# KiCad board motherboard.kicad_pcb
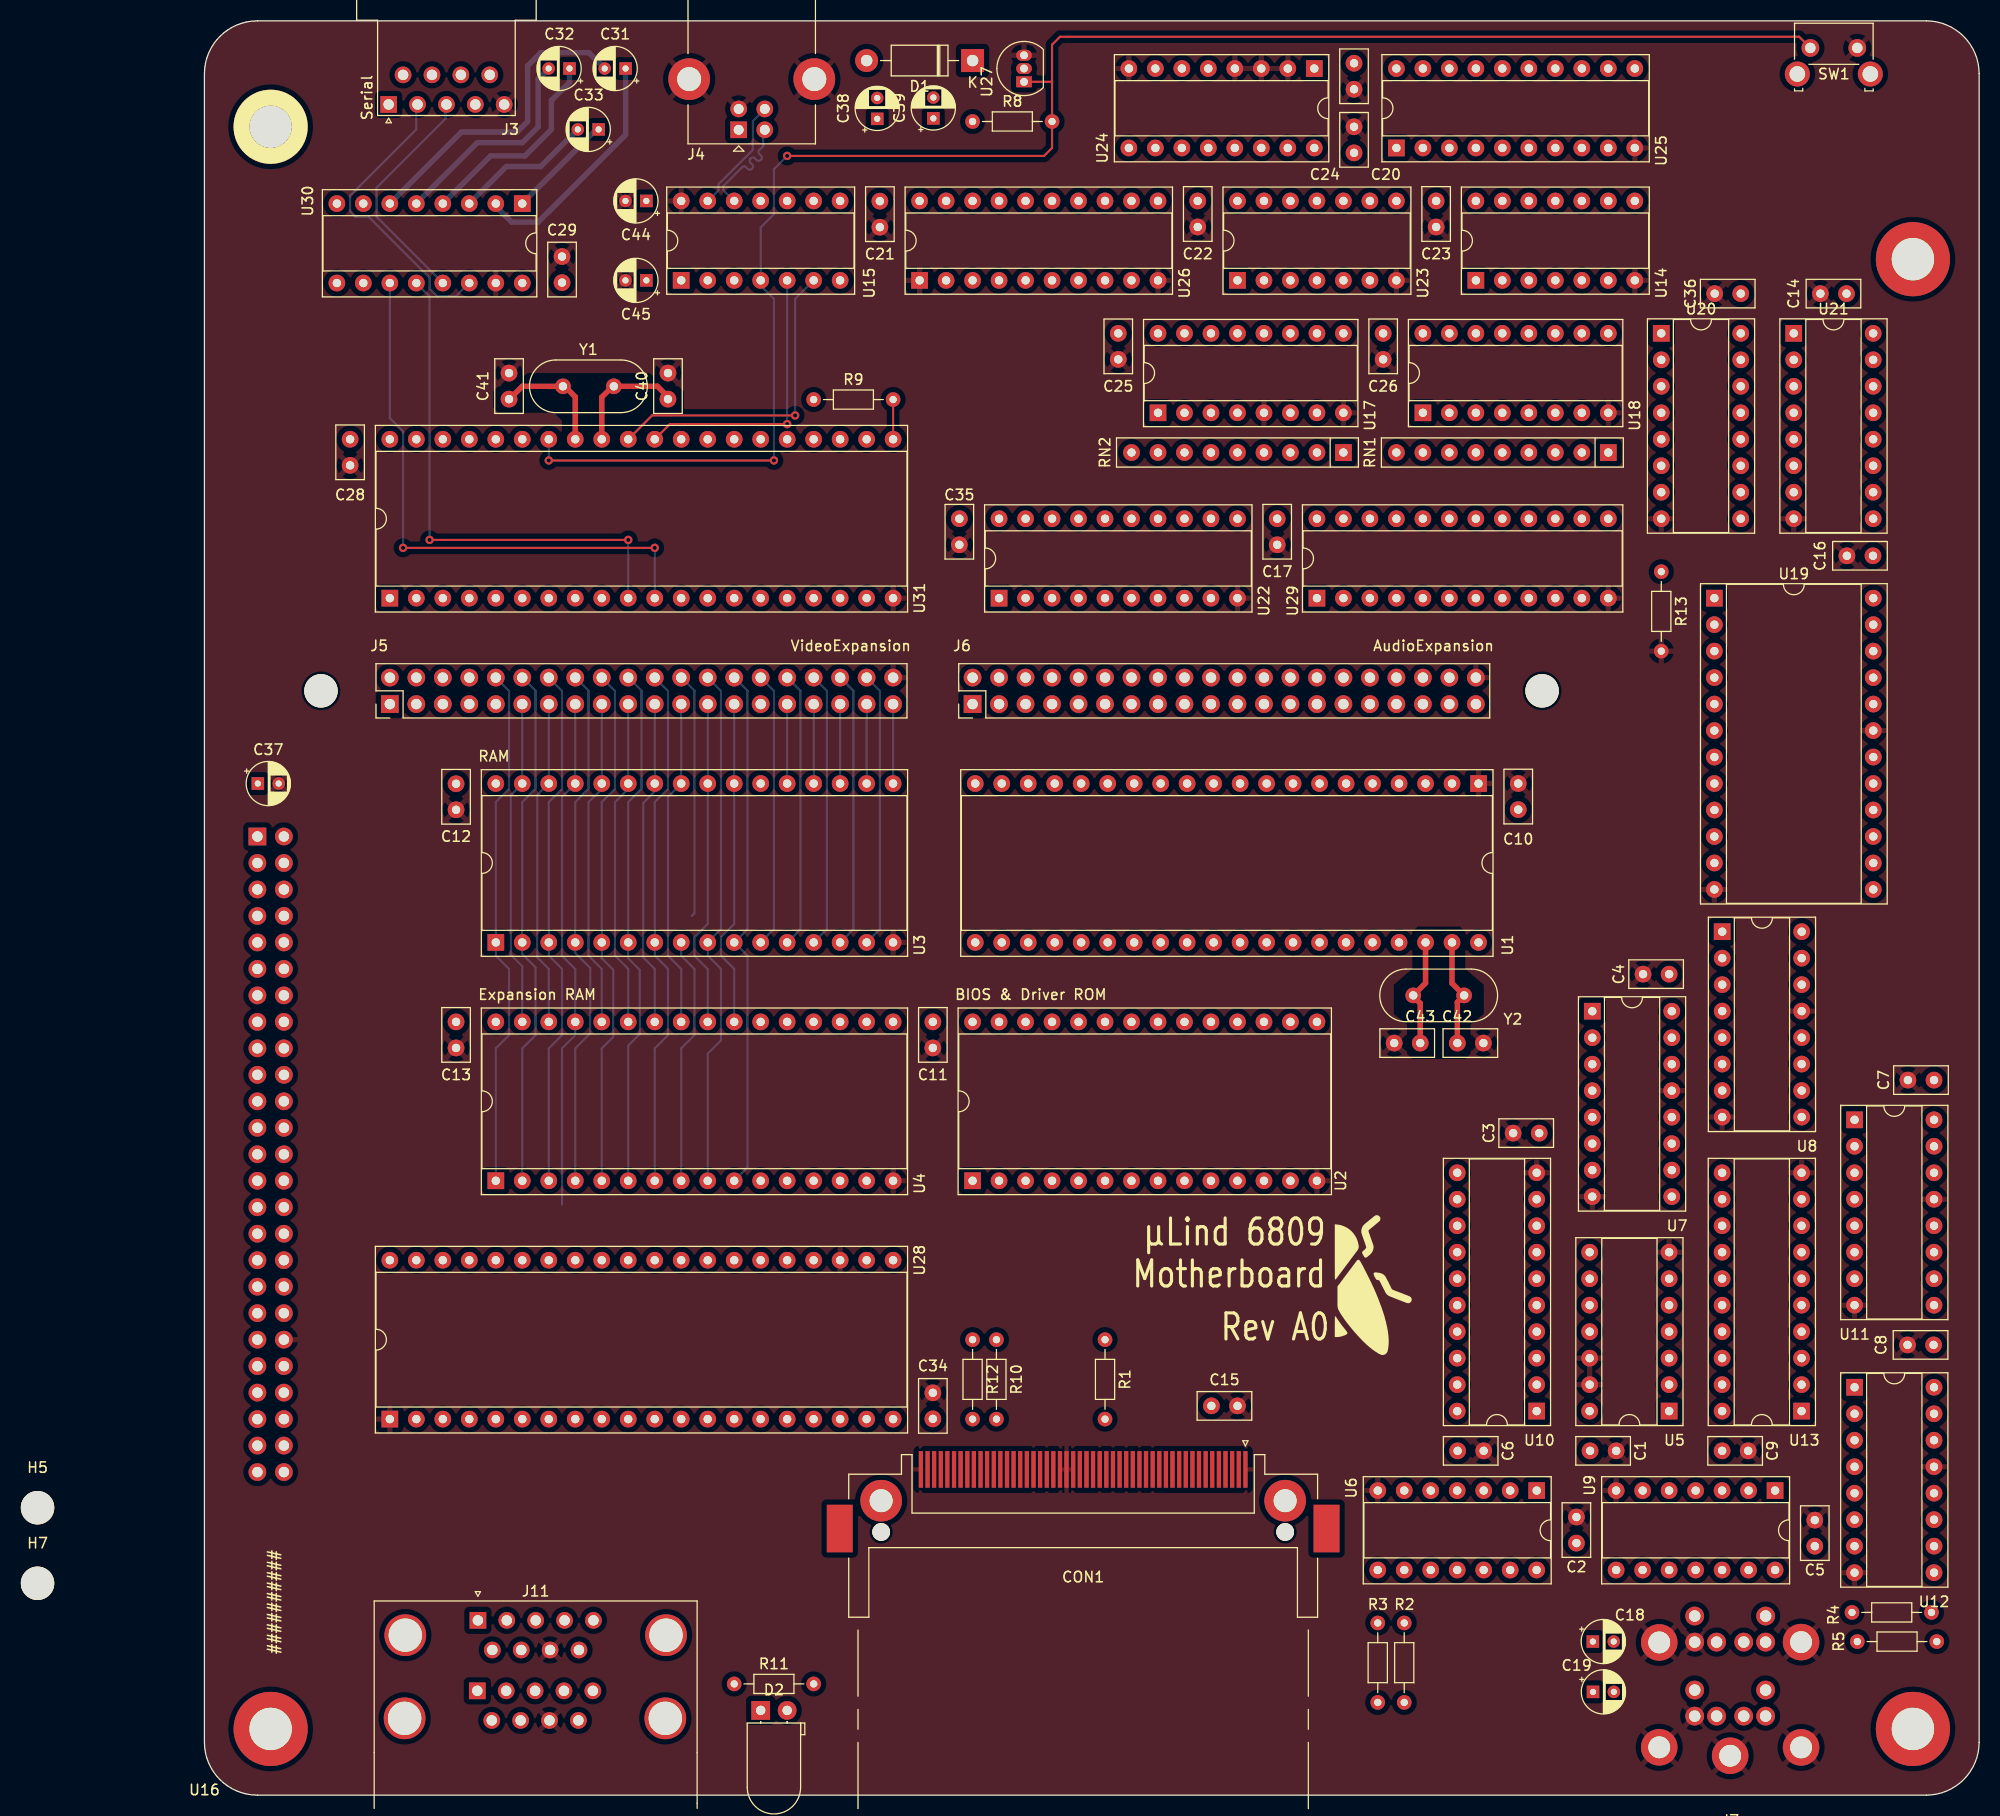
[diagram p0: board, top side]
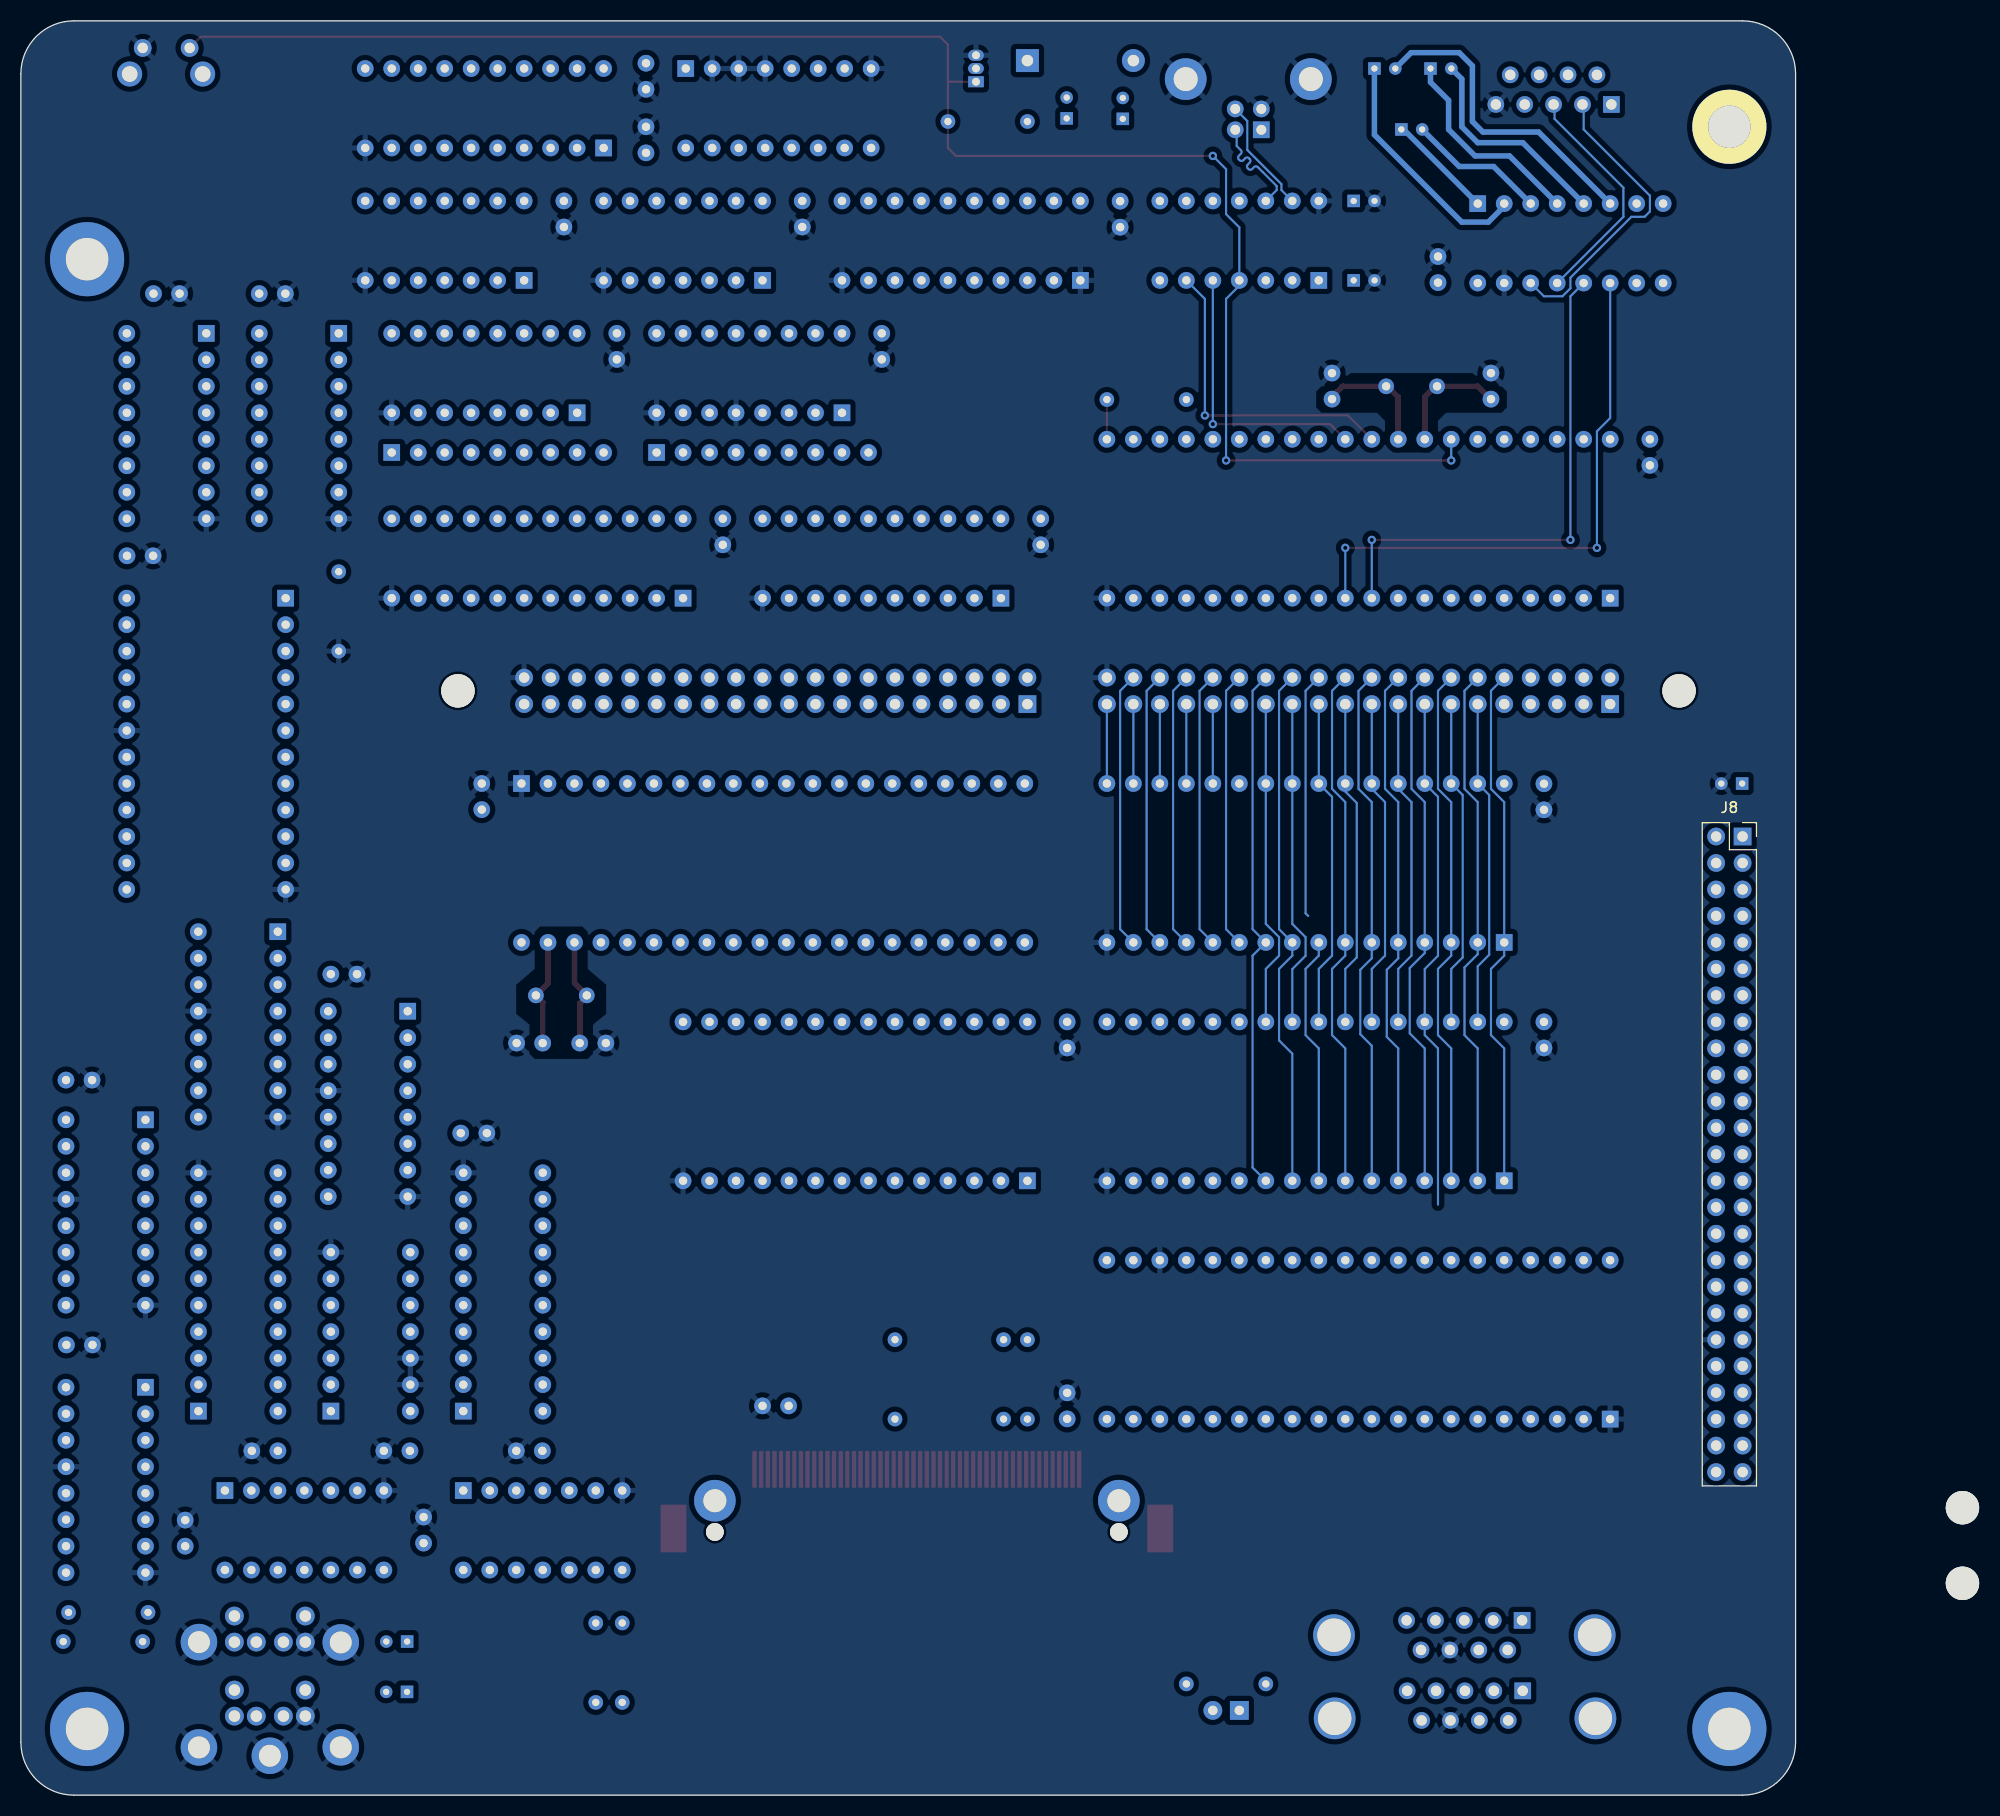
[diagram p1: board, bottom side, seen from below]

Outline 170.18 x 170.18 mm; copper layers: Top, In1.Cu (plane), In2.Cu (plane), Bottom. Coordinates in mm from the lower left corner of the outline.
Stack: Top 0.035mm / dielectric 0.1mm FR4 er 4.5 / In1.Cu 0.035mm / dielectric 1.24mm FR4 er 4.5 / In2.Cu 0.035mm / dielectric 0.1mm FR4 er 4.5 / Bottom 0.035mm

## Placement (name value [footprint] x y rotation side)
C1  C  [C_Disc_D5.0mm_W2.5mm_P2.50mm]  132.87 33.03 0 top
C2  C  [C_Disc_D5.0mm_W2.5mm_P2.50mm]  131.56 24.18 90 top
C3  C  [C_Disc_D5.0mm_W2.5mm_P2.50mm]  128 63.5 180 top
C4  C  [C_Disc_D5.0mm_W2.5mm_P2.50mm]  140.45 78.75 180 top
C5  C  [C_Disc_D5.0mm_W2.5mm_P2.50mm]  154.42 23.88 90 top
C6  C  [C_Disc_D5.0mm_W2.5mm_P2.50mm]  120.17 33.03 0 top
C7  C  [C_Disc_D5.0mm_W2.5mm_P2.50mm]  165.85 68.59 180 top
C8  C  [C_Disc_D5.0mm_W2.5mm_P2.50mm]  165.81 43.19 180 top
C9  C  [C_Disc_D5.0mm_W2.5mm_P2.50mm]  145.53 33.03 0 top
C10  C  [C_Disc_D5.0mm_W2.5mm_P2.50mm]  125.98 94.53 90 top
C11  C  [C_Disc_D5.0mm_W2.5mm_P2.50mm]  69.85 74.17 270 top
C12  C  [C_Disc_D5.0mm_W2.5mm_P2.50mm]  24.13 97.01 270 top
C13  C  [C_Disc_D5.0mm_W2.5mm_P2.50mm]  24.13 74.17 270 top
C14  C  [C_Disc_D5.0mm_W2.5mm_P2.50mm]  157.46 144.02 180 top
C15  C  [C_Disc_D5.0mm_W2.5mm_P2.50mm]  96.56 37.34 0 top
C16  C  [C_Disc_D5.0mm_W2.5mm_P2.50mm]  160 118.87 180 top
C17  C  [C_Disc_D5.0mm_W2.5mm_P2.50mm]  102.87 122.43 270 top
C18  10u  [CP_Radial_D4.0mm_P2.00mm]  133.14 14.73 0 top
C19  10u  [CP_Radial_D4.0mm_P2.00mm]  133.15 9.91 0 top
C20  C  [C_Disc_D5.0mm_W2.5mm_P2.50mm]  110.24 166.12 270 top
C21  C  [C_Disc_D5.0mm_W2.5mm_P2.50mm]  64.77 152.89 270 top
C22  C  [C_Disc_D5.0mm_W2.5mm_P2.50mm]  95.25 152.91 270 top
C23  C  [C_Disc_D5.0mm_W2.5mm_P2.50mm]  118.11 152.91 270 top
C24  C  [C_Disc_D5.0mm_W2.5mm_P2.50mm]  110.24 157.52 90 top
C25  C  [C_Disc_D5.0mm_W2.5mm_P2.50mm]  87.63 140.21 270 top
C26  C  [C_Disc_D5.0mm_W2.5mm_P2.50mm]  113.03 140.21 270 top
C28  C  [C_Disc_D5.0mm_W2.5mm_P2.50mm]  13.97 130.05 270 top
C29  C  [C_Disc_D5.0mm_W2.5mm_P2.50mm]  34.29 145.07 90 top
C31  1u  [CP_Radial_D4.0mm_P2.00mm]  40.39 165.61 180 top
C32  1u  [CP_Radial_D4.0mm_P2.00mm]  35.01 165.61 180 top
C33  1u  [CP_Radial_D4.0mm_P2.00mm]  37.8 159.77 180 top
C34  C  [C_Disc_D5.0mm_W2.5mm_P2.50mm]  69.85 36.09 90 top
C35  C  [C_Disc_D5.0mm_W2.5mm_P2.50mm]  72.39 122.43 270 top
C36  C  [C_Disc_D5.0mm_W2.5mm_P2.50mm]  147.32 144.02 180 top
C37  C_Polarized  [CP_Radial_D4.0mm_P2.00mm]  5.12 97.03 0 top
C38  100µF  [CP_Radial_D4.0mm_P2.00mm]  64.52 160.78 90 top
C39  10µF  [CP_Radial_D4.0mm_P2.00mm]  69.9 160.83 90 top
C40  24pF  [C_Disc_D5.0mm_W2.5mm_P2.50mm]  44.45 133.9 90 top
C41  24pF  [C_Disc_D5.0mm_W2.5mm_P2.50mm]  29.21 133.9 90 top
C42  24pF  [C_Disc_D5.0mm_W2.5mm_P2.50mm]  120.14 72.14 0 top
C43  24pF  [C_Disc_D5.0mm_W2.5mm_P2.50mm]  116.59 72.14 180 top
C44  1u  [CP_Radial_D4.0mm_P2.00mm]  42.37 152.91 180 top
C45  1u  [CP_Radial_D4.0mm_P2.00mm]  42.37 145.29 180 top
CON1  CF-CARD  [CF-Card_3M_N7E50-7516PK-20-WF]  84.26 28.14 270 top
D1  1N4007  [D_DO-41_SOD81_P10.16mm_Horizontal]  73.66 166.37 180 top
D2  LED  [LED_D5.0mm_Horizontal_O1.27mm_Z3.0mm_Clear]  53.34 8.13 0 top
G***  LOGO  [fly_E_14mm]  112.01 48.77 0 top
H5  MountingHole  [MountingHole_3.2mm_M3_ISO7380]  -16 27.57 0 top
H6  MountingHole  [MountingHole_3.2mm_M3_ISO7380]  11.18 105.92 0 top
H7  MountingHole  [MountingHole_3.2mm_M3_ISO7380]  -16 20.32 0 top
H8  MountingHole  [MountingHole_3.2mm_M3_ISO7380]  128.27 105.92 0 top
J3  Serial  [DSUB-9_Female_Horizontal_P2.77x2.84mm_EdgePinOffset9.40mm]  17.67 162.16 180 top
J4  Console  [USB_B_Lumberg_2411_02_Horizontal]  51.23 159.73 90 top
J5  VideoExpansion  [PinHeader_2x20_P2.54mm_Vertical]  17.78 104.65 90 top
J6  AudioExpansion  [PinHeader_2x20_P2.54mm_Vertical]  73.66 104.65 90 top
J7  ~  [2xPS2-Mini-Din]  146.3 -0.92 0 top
J8  ExpansionPort  [PinSocket_2x25_P2.54mm_Vertical]  5.08 91.95 180 bottom
J11  ~  [DSUB-9-Double_NorComp]  26.22 16.76 0 top
R1  4k7  [R_Axial_DIN0204_L3.6mm_D1.6mm_P7.62mm_Horizontal]  86.36 43.69 270 top
R2  10k  [R_Axial_DIN0204_L3.6mm_D1.6mm_P7.62mm_Horizontal]  115.05 8.9 90 top
R3  10k  [R_Axial_DIN0204_L3.6mm_D1.6mm_P7.62mm_Horizontal]  112.51 8.9 90 top
R4  10k  [R_Axial_DIN0204_L3.6mm_D1.6mm_P7.62mm_Horizontal]  165.61 17.53 180 top
R5  10k  [R_Axial_DIN0204_L3.6mm_D1.6mm_P7.62mm_Horizontal]  166.12 14.73 180 top
R8  4k7  [R_Axial_DIN0204_L3.6mm_D1.6mm_P7.62mm_Horizontal]  73.66 160.53 0 top
R9  4k7  [R_Axial_DIN0204_L3.6mm_D1.6mm_P7.62mm_Horizontal]  58.42 133.86 0 top
R10  4k7  [R_Axial_DIN0204_L3.6mm_D1.6mm_P7.62mm_Horizontal]  75.95 43.69 270 top
R11  4k7  [R_Axial_DIN0204_L3.6mm_D1.6mm_P7.62mm_Horizontal]  50.8 10.67 0 top
R12  4k7  [R_Axial_DIN0204_L3.6mm_D1.6mm_P7.62mm_Horizontal]  73.66 43.69 270 top
R13  10k  [R_Axial_DIN0204_L3.6mm_D1.6mm_P7.62mm_Horizontal]  139.7 117.35 270 top
RN1  R_Network08  [R_Array_SIP9]  134.62 128.78 180 top
RN2  R_Network08  [R_Array_SIP9]  109.22 128.78 180 top
SW1  Reset  [SW_SPST_Omron_B3F-315x_Angled]  154 167.58 0 top
U1  MC6809  [DIP-40_W15.24mm_Socket]  122.17 97.03 270 top
U2  28C64  [DIP-28_W15.24mm_Socket]  73.66 58.93 90 top
U3  AS6C4008  [DIP-32_W15.24mm_Socket]  27.94 81.79 90 top
U4  AS6C4008  [DIP-32_W15.24mm_Socket]  27.94 58.93 90 top
U5  74HCT32  [DIP-14_W7.62mm_Socket]  140.45 36.84 180 top
U6  74HCT14  [DIP-14_W7.62mm_Socket]  127.75 29.22 270 top
U7  74HCT595  [DIP-16_W7.62mm_Socket]  133.09 75.19 0 top
U8  74HCT595  [DIP-16_W7.62mm_Socket]  145.54 82.82 0 top
U9  74HCT14  [DIP-14_W7.62mm_Socket]  150.61 29.22 270 top
U10  74HCT573  [DIP-20_W7.62mm_Socket]  127.75 36.84 180 top
U11  74HCT595  [DIP-16_W7.62mm_Socket]  158.23 64.78 0 top
U12  74HCT595  [DIP-16_W7.62mm_Socket]  158.23 39.12 0 top
U13  74HCT573  [DIP-20_W7.62mm_Socket]  153.15 36.84 180 top
U14  74HCT02  [DIP-14_W7.62mm_Socket]  121.92 145.29 90 top
U15  MCP2221A  [DIP-14_W7.62mm_Socket]  45.72 145.29 90 top
U16  ~  [mITX]  0 0 0 top
U17  74HCT148  [DIP-16_W7.62mm_Socket]  91.44 132.59 90 top
U18  74HCT148  [DIP-16_W7.62mm_Socket]  116.84 132.59 90 top
U19  74LS154  [DIP-24_W15.24mm_Socket]  144.79 114.81 0 top
U20  74LS670  [DIP-16_W7.62mm_Socket]  139.7 140.21 0 top
U21  74LS670  [DIP-16_W7.62mm_Socket]  152.4 140.21 0 top
U22  GAL16V8  [DIP-20_W7.62mm_Socket]  76.2 114.81 90 top
U23  74HCT00  [DIP-14_W7.62mm_Socket]  99.06 145.29 90 top
U24  74HCT85  [DIP-16_W7.62mm_Socket]  106.43 165.61 270 top
U25  74HCT574  [DIP-20_W7.62mm_Socket]  114.3 157.99 90 top
U26  74HCT574  [DIP-20_W7.62mm_Socket]  68.58 145.29 90 top
U27  DS1813  [TO-92_Inline]  78.59 164.34 90 top
U28  6522  [DIP-40_W15.24mm_Socket]  17.78 36.07 90 top
U29  GAL 22V10  [DIP-24_W7.62mm_Socket]  106.68 114.81 90 top
U30  MAX232  [DIP-16_W7.62mm_Socket]  30.48 152.65 270 top
U31  68C681  [DIP-40_W15.24mm_Socket]  17.78 114.81 90 top
Y1  Crystal  [Crystal_HC49-U_Vertical]  34.38 135.13 0 top
Y2  Crystal  [Crystal_HC49-U_Vertical]  115.91 76.71 0 top

## Library data of the parts
C1-C17 C20-C26 C28 C29 C34-C36 C40-C43 = -: ki_fp_filters: C_*
C18 C19 C31-C33 C44 C45 = -: ki_fp_filters: CP_*
C37-C39 = -: Description: Polarized capacitor; ki_fp_filters: CP_*
D1 = -: Datasheet: http://www.vishay.com/docs/88503/1n4001.pdf; Description: 1000V 1A General Purpose Rectifier Diode, DO-41; Sim.Device: D; Sim.Pins: 1=K 2=A; ki_fp_filters: D*DO?41*
D2 = -: Description: Light emitting diode; ki_fp_filters: LED* LED_SMD:* LED_THT:*
H5-H8 = -: ki_fp_filters: MountingHole*
J3 = -: ki_fp_filters: DSUB*Female*
J4 = -: ki_fp_filters: USB*
J5 J6 = -: ki_fp_filters: Connector*:*_2x??_*
J8 = -: Description: Generic connector, double row, 02x25, odd/even pin numbering scheme (row 1 odd numbers, row 2 even numbers), script generated (kicad-library-utils/schlib/autogen/connector/); ki_fp_filters: Connector*:*_2x??_*
R1 R8 R10-R13 = -: Description: Resistor; ki_fp_filters: R_*
R2-R5 R9 = -: ki_fp_filters: R_*
RN1 RN2 = -: Datasheet: http://www.vishay.com/docs/31509/csc.pdf; Description: 8 resistor network, star topology, bussed resistors, small symbol; ki_fp_filters: R?Array?SIP*
SW1 = -: Description: Push button switch, generic, two pins
U1 = -: Datasheet: http://pdf.datasheetcatalog.com/datasheet/motorola/MC68B09S.pdf; ki_fp_filters: DIP*W15.24mm*
U2 = -: Datasheet: http://ww1.microchip.com/downloads/en/DeviceDoc/11107M.pdf; ki_fp_filters: DIP*W15.24mm*
U3 U4 = -: Datasheet: https://www.alliancememory.com/wp-content/uploads/pdf/AS6C4008.pdf; ki_fp_filters: DIP*W15.24mm*
U5 = -: Datasheet: http://www.ti.com/lit/gpn/sn74LS32; ki_fp_filters: DIP?14*
U6 U9 = -: Datasheet: http://www.ti.com/lit/gpn/sn74HC14; ki_fp_filters: DIP*W7.62mm*
U7 U8 U11 U12 = -: Datasheet: http://www.ti.com/lit/ds/symlink/sn74hc595.pdf; ki_fp_filters: DIP*W7.62mm* SOIC*3.9x9.9mm*P1.27mm* TSSOP*4.4x5mm*P0.65mm* SOIC*5.3x10.2mm*P1.27mm* SOIC*7.5x10.3mm*P1.27mm*
U10 U13 = -: Datasheet: 74xx/74hc573.pdf; ki_fp_filters: DIP?20*
U14 = -: Datasheet: http://www.ti.com/lit/gpn/sn74hct02; ki_fp_filters: SO14* DIP*W7.62mm*
U15 = -: Datasheet: http://ww1.microchip.com/downloads/en/DeviceDoc/20005565B.pdf; ki_fp_filters: DIP*W7.62mm*
U17 U18 = -: Datasheet: http://www.ti.com/lit/gpn/sn74LS148; ki_fp_filters: DIP?16*
U19 = -: Datasheet: http://www.ti.com/lit/gpn/sn74LS154; Description: Decoder 4 to 16; ki_fp_filters: DIP?24*
U20 U21 = -: Datasheet: http://www.ti.com/lit/gpn/sn74LS670; Description: 4 x 4 Register Files 3-State Outputs; ki_fp_filters: DIP?16*
U22 = -: ki_fp_filters: DIP* PDIP* SOIC* SO* PLCC*
U23 = -: Datasheet: http://www.ti.com/lit/gpn/sn74ls00; ki_fp_filters: DIP*W7.62mm* SO14*
U24 = -: Datasheet: http://www.ti.com/lit/gpn/sn74LS85; ki_fp_filters: DIP?16*
U25 U26 = -: Datasheet: http://www.ti.com/lit/gpn/sn74LS574; ki_fp_filters: DIP?20*
U28 = -: Datasheet: http://www.6502.org/documents/datasheets/mos/mos_6522_preliminary_nov_1977.pdf; ki_fp_filters: DIP*W15.24mm*
U30 = -: Datasheet: http://www.ti.com/lit/ds/symlink/max232.pdf; ki_fp_filters: SOIC*P1.27mm* DIP*W7.62mm* TSSOP*4.4x5mm*P0.65mm*
U31 = -: Datasheet: https://www.elektronik.ropla.eu/pdf/stock/exa/xr68c681.pdf
Y1 Y2 = -: Description: Two pin crystal; ki_fp_filters: Crystal*
